# Altium PCB PCB1.PcbDoc (part 2 of 4)
Units mm, origin at the board's own origin, x right, y up, seen from the top; angles counter-clockwise.
Board outline 100 x 84 mm, 2 copper layers (Top Layer, Bottom Layer); 156 components, 105 nets, 544 pads, 320 vias.
Unrouted connection lines stored in the file: 2.
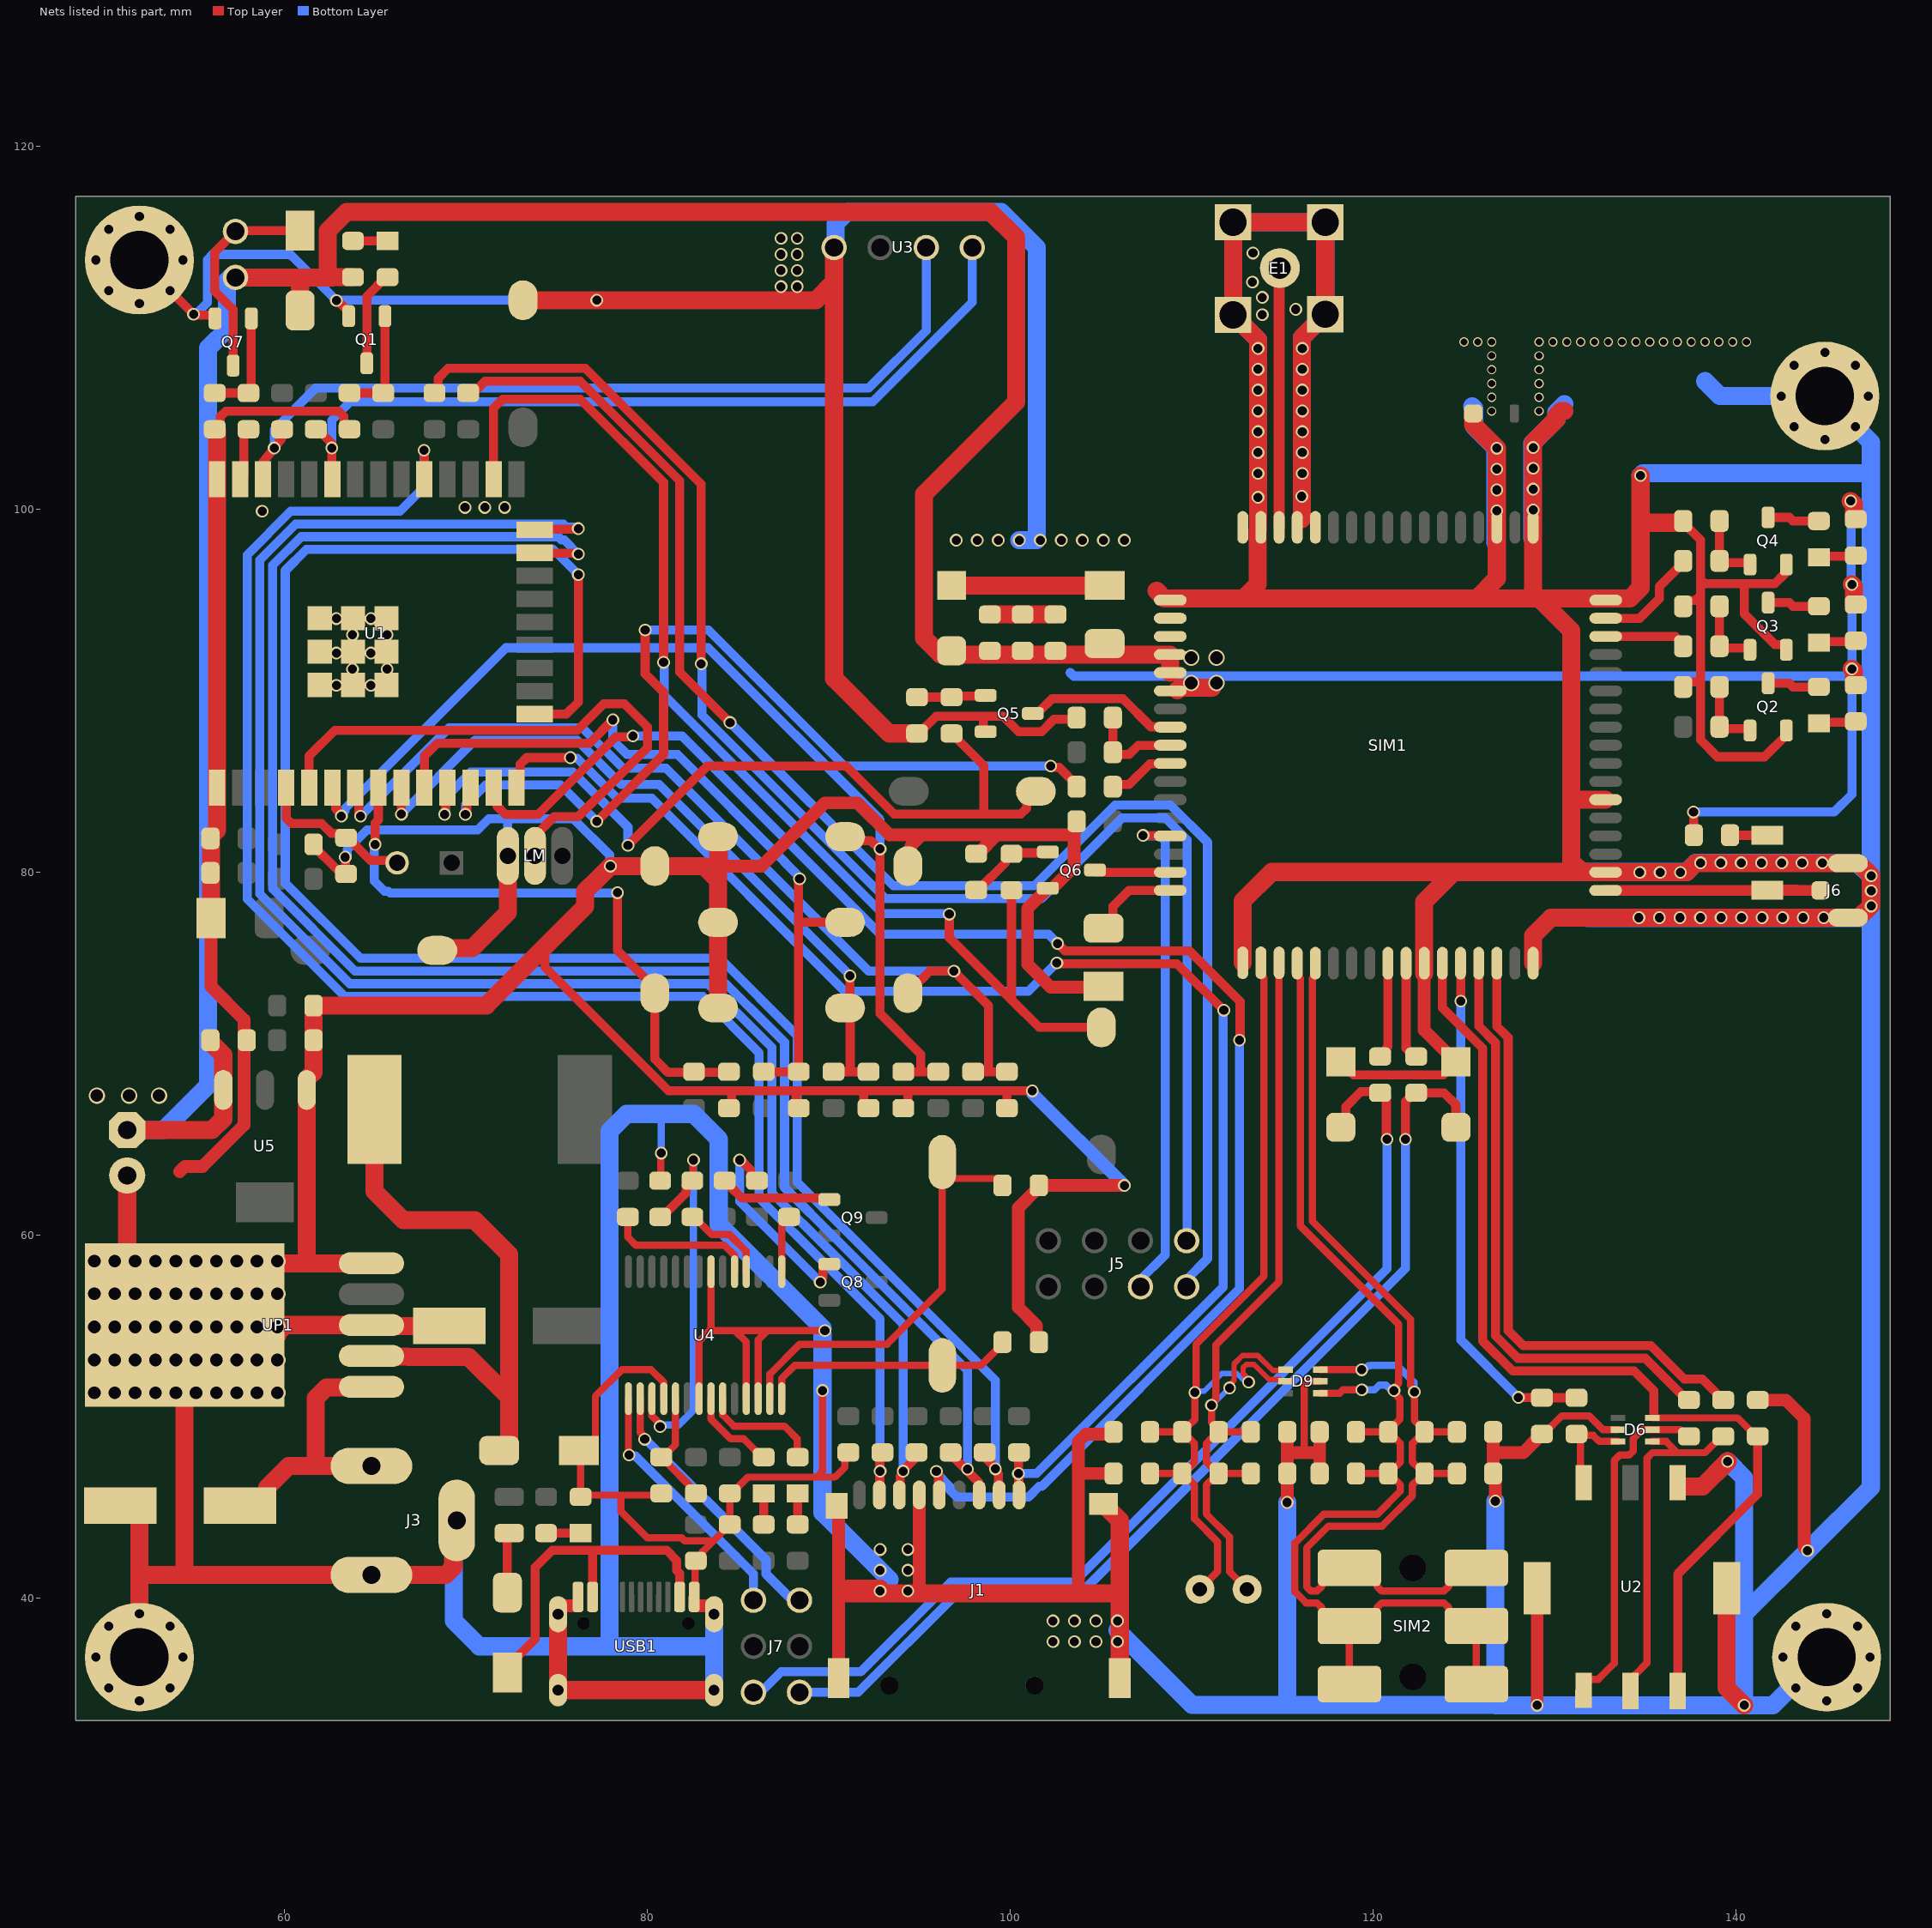
[diagram p2: the nets of this part, all layers, seen from the top]

## Via types
v1: diameter 0.7, hole 0.5, Top Layer to Bottom Layer, tented both sides, 196 vias
v2: diameter 0.9, hole 0.7, Top Layer to Bottom Layer, tented both sides, 63 vias
v3: diameter 0.8, hole 0.5, Top Layer to Bottom Layer, 32 vias
v4: diameter 0.508, hole 0.381, Top Layer to Bottom Layer, tented both sides, 29 vias

## Nets (pads, with @x,y where several pads share a name; then routed paths per layer and width w, separated by ;. In a path a pad name is that pad's centre, name@x,y a point inside that pad or via, vN(x,y) a via of type N, cw(c..) or ccw(c..) an arc to the next point about the centre after c; other vN are vias at no path point) (continued)
GND: C1.2 C2.1 C3.1 C4.2 C5.2 C6.1 C7.1 C8.1 C9.2 C10.2 C11.2 C12.2 C13.1 C14.1 C15.1 C16.1 C17.1 C18.2 C19.1 C20.2 C21.2 C22.2 C23.2 C24.2 C29.1 C30.1 C31.1 C32.1 C33.2 C34.1 C35.1 C36.1 C37.2 C38.1 C39.1 D5.1 D6.2 D9.2 D10.1 D11.1 D12.2 DP3.1 E1.2 J1.6 J1.SH1 J1.SH2 J1.SH3 J1.SH4 J3.2 J3.3 J4.2 J6.2 J6.3 J8.2 LM.3 M1.1 M2.1 M3.1 M4.1 pad.1@76.185,40.397 pad.1@82.585,40.397 pad.1@136.795,46.822 Q1.2 Q2.2 Q3.2 Q4.2 Q5.2 Q6.2 Q7.2 R6.1 R12.1 R13.1 R14.1 R15.1 R33.1 R34.1 R35.1 R37.1 R42.1 R46.1 R52.1 SIM1.1 SIM1.2 SIM1.3 SIM1.18 SIM1.28 SIM1.34 SIM1.36 SIM1.40 SIM1.51 SIM1.52 SIM1.54 SIM1.64 SIM1.65 SIM1.67 SIM1.68 SW1.1 SW2.1 SW3.1 SW4.1 SW5.1 SW8.2 SW9.2 U1.1 U1.38 U1.39_1 U1.39_2 U1.39_3 U1.39_4 U1.39_5 U1.39_6 U1.39_7 U1.39_8 U1.39_9 U2. U2.4 U3.1 U4.7 U4.18 U4.21 U4.25 U4.26 U5.1 UP1.3 UP1.5 UP1.6 USB1.A1B12 USB1.B1A12 USB1.SH1 USB1.SH2 USB1.SH3 USB1.SH4 | length 1210.8
  Top Layer w0.4: C22.2@80.708,63 80.74,63.032 80.74,64.484 v1(80.772,64.516) ; R46.1@80.772,45.763 80.679,45.67 78.549,45.67 ; U4.18@80.91,50.983 80.91,51.881 80.213,52.578 78.593,52.578 77.141,51.126 77.141,48.733 76.541,48.133 DP3.1@76.241,48.133 76.327,48.047 D12.2@76.327,45.577 76.42,45.67 78.549,45.67 ; USB1.B1A12@82.582,39.725 82.63,39.772 82.63,42.006 R42.1@82.677,42.053 82.75,42.053 83.046,42.349 83.046,42.551 84.179,43.684 84.179,43.757 84.475,44.053 C39.1@84.548,44.053 C38.1@84.548,45.763 84.648,45.763 85.548,46.663 89.335,46.663 ; U4.21@82.86,50.983 82.86,54.158 83.51,54.808 ; U4.7@83.51,57.983 83.51,54.808 ; 83.613,43.153 82.058,43.153 81.904,43.307 80.01,43.307 78.549,44.767 78.549,45.67 ; U4.25@85.46,50.983 85.46,54.113 84.836,54.737 ; U4.26@86.11,50.983 86.11,54.233 86.614,54.737 ; v1(89.662,51.435) 89.662,46.99 89.335,46.663 ; v1(89.789,54.737) 86.614,54.737 ; C9.2@91.084,48.022 90.896,47.834 90.896,47.208 90.351,46.663 89.335,46.663 ; 116.205,48.006 116.205,51.689 116.459,51.943 D9.2@117.089,51.943 ; C3.1@129.311,49.038 129.411,49.038 130.411,50.038 131.913,50.038 132.675,49.276 D6.2@133.502,49.276 ; 83.51,54.808 83.581,54.737 84.836,54.737 ; 84.836,54.737 86.614,54.737
  Top Layer w0.5: M3.1@52.006,113.741 52.006,113.735 54.991,110.75 v1(54.991,110.744) 55.029,110.706 56.075,110.706 56.175,110.606 Q7.2@56.175,110.52 ; R37.1@56.159,104.41 R37.1@56.221,104.41 ; R37.1@56.259,104.41 R37.1@56.221,104.41 ; C1.2@61.604,81.534 61.604,81.434 62.889,80.149 63.148,80.149 R35.1@63.375,79.922 ; v1(62.865,111.506) 62.903,111.468 62.971,111.468 63.541,110.897 Q1.2@63.541,110.647 ; v1(63.352,80.828) 63.375,80.805 R35.1@63.375,79.922 ; R35.1@63.398,79.899 R35.1@63.375,79.922 ; R12.1@63.589,104.41 63.532,104.41 63.282,104.66 63.282,105.117 62.989,105.41 56.769,105.41 56.471,105.112 56.471,104.66 R37.1@56.221,104.41 ; 74.358,75.882 74.358,74.766 81.174,67.95 83.561,67.95 83.566,67.945 83.644,67.945 83.649,67.95 84.714,67.95 ; C15.1@84.499,67 84.638,67.14 84.638,67.874 84.714,67.95 ; C17.1@88.345,67 88.207,67.138 88.207,67.876 88.133,67.95 ; C16.1@92.192,67 92.185,67 91.935,67.25 91.935,67.757 91.742,67.95 ; C13.1@94.115,67 94.122,67 94.372,67.25 94.372,67.757 94.565,67.95 ; R33.1@94.869,87.646 94.969,87.646 95.919,88.596 98.475,88.596 ; Q5.2@98.649,87.746 98.633,87.746 98.533,87.846 98.533,88.538 98.475,88.596 ; 98.772,67.95 94.565,67.95 ; 98.777,67.945 99.822,67.945 ; C14.1@99.822,67 99.822,67.945 ; v1(101.219,67.945) 99.822,67.945 ; R6.1@103.664,88.519 103.572,88.427 102.414,88.427 101.733,87.746 100.457,87.746 99.607,88.596 98.475,88.596 ; D10.1@118.225,69.542 118.933,68.834 123.867,68.834 D11.1@124.575,69.542 ; R13.1@137.1,90.211 137.1,90.227 137.35,90.477 137.848,90.477 138.05,90.679 ; R14.1@137.1,94.656 137.1,94.736 137.35,94.986 137.785,94.986 138.05,95.251 ; R15.1@137.1,99.355 137.1,99.255 138.05,98.305 138.05,95.251 ; 138.053,96.139 138.287,95.905 138.76,95.905 141.309,95.905 141.31,95.906 142.157,95.906 142.683,96.432 142.683,96.855 Q4.2@142.783,96.955 ; 140.462,95.885 140.462,94.234 142.157,92.539 142.683,92.539 142.783,92.439 Q3.2@142.783,92.256 ; Q2.2@142.783,87.811 142.783,87.561 141.582,86.36 138.977,86.36 138.05,87.287 138.05,90.679 ; 84.714,67.95 87.295,67.95 88.133,67.95 ; 88.133,67.95 91.742,67.95 ; 91.742,67.95 94.565,67.95 ; 138.05,90.679 138.05,95.251
  Top Layer w0.7: 54.229,63.5 54.514,63.785 55.491,63.785 57.771,66.065 57.771,71.88 55.956,73.695 C10.2@55.956,77.47 ; USB1.SH4@75.082,39.105 75.082,39.436 75.221,39.575 USB1.A1B12@76.132,39.575 ; USB1.B1A12@82.632,39.575 83.544,39.575 83.682,39.436 USB1.SH3@83.682,39.105 ; 83.947,80.335 86.304,80.335 89.789,83.82 91.585,83.82 93.345,82.06 95.141,82.06 ; J1.SH1@90.445,45.079 90.545,44.979 90.545,39.945 ; J1.SH2@90.545,35.579 90.545,39.945 ; 91.059,40.513 90.932,40.513 90.774,40.355 90.774,40.174 90.545,39.945 ; SW2.1@94.361,80.335 94.533,80.507 94.533,81.452 95.141,82.06 ; 94.869,40.259 94.995,40.385 J1.6@94.995,45.679 ; R34.1@98.129,81.018 98.229,81.018 99.271,82.06 ; C37.2@101.584,54.102 101.454,54.232 101.454,55.01 100.457,56.007 100.457,61.511 101.434,62.488 101.434,62.588 C33.2@101.584,62.738 v1(106.299,62.738) ; 103.759,40.259 103.759,46.863 ; C5.2@105.156,73.711 105.105,73.66 102.235,73.66 100.965,74.93 100.965,78.005 101.828,78.868 101.828,79.118 Q6.2@102.078,79.118 102.328,79.118 103.528,80.318 103.528,82.042 103.51,82.06 99.271,82.06 ; C31.1@105.555,48.899 105.555,49.022 104.169,49.022 103.759,48.612 103.759,46.863 ; C32.1@105.705,46.863 103.759,46.863 ; v1(115.275,45.266) C20.2@115.275,46.863 115.275,48.006 ; C21.2@115.275,49.149 115.275,48.006 ; C29.1@117.059,46.863 117.059,48.133 ; C30.1@117.059,49.149 117.059,48.133 ; SIM1.28@122.826,74.985 122.826,71.291 D11.1@124.575,69.542 ; C18.2@126.628,49.149 126.628,48.006 ; v1(126.746,45.339) 126.746,46.745 C19.1@126.628,46.863 126.628,48.006 ; v1(129.045,34.091) U2.@129.045,40.537 ; C3.1@129.311,49.038 129.211,49.038 129.061,48.888 129.061,48.788 128.279,48.006 126.628,48.006 ; C2.1@141.211,50.911 142.764,50.911 143.764,49.911 143.764,42.799 v1(143.954,42.608) ; 95.141,82.06 99.271,82.06 ; 115.275,48.006 116.205,48.006 116.932,48.006 117.059,48.133
  Top Layer w1: C23.2@50.954,45.085 51.506,45.085 52.006,44.585 52.006,41.148 ; J4.2@51.333,63.286 51.333,58.564 51.544,58.353 51.544,57.126 52.23,57.126 54.01,55.346 v2(54.01,54.936) 54.01,53.305 54.483,52.832 54.483,41.275 ; v3(52.006,39.141) 52.006,41.148 ; UP1.6@54.495,54.534 UP1.6@54.851,54.889 ; UP1.6@55.13,54.483 UP1.6@59.61,54.483 ; UP1.6@55.13,54.61 v2(55.13,54.936) 55.13,55.649 v2(56.25,56.769) ; C11.2@55.921,81.864 55.921,81.964 56.286,82.329 U1.1@56.286,84.658 U1.38@56.286,101.658 56.286,104.383 R37.1@56.259,104.41 ; C10.2@55.956,77.47 C11.2@55.956,81.864 ; UP1.6@56.554,56.465 UP1.6@57.114,57.025 ; v2(57.37,56.769) 57.37,57.325 58.49,58.445 61.347,58.445 ; UP1.6@59.61,54.61 60.042,55.042 64.745,55.042 64.795,54.991 C24.2@69.09,54.991 ; UP1.5@64.795,58.445 61.347,58.445 ; SW8.2@68.422,75.692 68.537,75.807 70.346,75.807 72.312,77.773 LM.3@72.312,80.899 ; J3.3@69.495,44.275 69.304,44.084 69.304,41.696 68.883,41.275 J3.2@64.795,41.275 54.483,41.275 ; SW9.2@73.152,111.521 v1(77.216,111.521) 89.296,111.521 90.297,112.522 ; USB1.SH4@75.082,39.105 USB1.SH2@75.082,34.925 USB1.SH1@83.682,34.925 ; SW4.1@83.901,72.517 SW5.1@83.901,77.237 83.901,79.548 ; 83.947,80.335 83.947,81.912 SW1.1@83.901,81.957 83.901,79.548 ; U3.1@90.297,114.427 90.297,112.522 ; 90.859,40.259 94.869,40.259 103.759,40.259 106.045,40.259 ; 91.059,40.513 92.829,40.513 92.837,40.505 v1(92.837,40.386) ; R33.1@94.869,87.646 93.329,87.646 90.297,90.678 90.297,112.522 ; D5.1@96.774,95.802 C4.2@105.207,95.802 ; C8.1@98.882,94.202 C6.1@100.69,94.202 C7.1@102.499,94.202 ; J1.SH4@105.145,45.179 105.345,45.179 105.445,45.079 105.445,44.879 106.045,44.279 106.045,40.259 ; J1.SH3@106.045,35.579 106.045,40.259 ; 108.077,95.504 108.49,95.091 112.871,95.091 ; SIM1.18@112.824,75.004 112.825,78.408 114.427,80.01 124.46,80.01 ; SIM1.65@116.078,99.466 v1(116.078,100.711) 116.078,104.275 116.078,108.864 116.078,109.453 E1.2@117.367,110.742 E1.2@117.367,115.817 E1.2@112.292,115.817 E1.2@112.292,110.717 113.665,109.345 v1(113.665,108.864) v1(113.665,107.717) v1(113.665,106.57) v1(113.665,105.423) v1(113.665,104.275) v1(113.665,103.128) v1(113.665,101.981) v1(113.665,100.66) 113.665,98.87 113.64,98.844 113.64,95.86 112.871,95.091 ; SIM1.28@122.827,74.422 122.827,78.377 124.46,80.01 ; J8.2@125.527,105.283 125.527,104.663 v1(126.827,103.362) v1(126.827,102.215) v1(126.827,101.068) v1(126.827,99.921) SIM1.54@126.827,99.005 126.827,96.188 125.73,95.091 ; SIM1.34@128.828,74.985 128.828,76.504 129.818,77.494 135.79,77.494 139.185,77.494 141.448,77.494 J6.3@146.177,77.494 146.777,77.494 147.447,78.164 147.447,79.798 147.447,79.824 146.777,80.494 J6.2@146.177,80.494 140.297,80.494 137.786,80.494 137.287,79.995 136.944,79.995 SIM1.36@132.824,79.995 131.81,79.995 131.795,80.01 131.523,80.01 ; 130.557,105.411 130.376,105.411 130.113,105.148 130.113,104.967 128.828,103.682 v1(128.829,103.403) SIM1.52@128.828,99.005 128.828,95.422 129.159,95.091 ; SIM1.40@132.824,83.995 130.985,83.995 130.937,83.947 ; v1(134.747,101.854) 134.747,99.255 ; U2.4@137.008,46.145 138.169,46.145 v1(139.548,47.523) ; R15.1@137.1,99.255 134.747,99.255 ; U2.@139.495,40.537 139.495,35.058 v1(140.462,34.091) ; 52.006,41.148 52.133,41.275 54.483,41.275 ; 61.347,58.445 61.23,58.562 U5.1@61.23,67.999 61.23,68.599 61.604,68.973 C35.1@61.604,70.739 C36.1@61.604,72.644 71.12,72.644 74.358,75.882 76.581,78.105 76.581,78.95 77.33,79.699 77.332,79.699 v1(77.968,80.335) SW3.1@80.416,80.335 83.114,80.335 83.901,79.548 ; 112.871,95.091 125.73,95.091 ; 124.46,80.01 131.523,80.01 ; 125.73,95.091 129.159,95.091 ; 129.159,95.091 134.161,95.091 134.747,95.677 134.747,99.255 ; 129.159,95.091 130.937,93.313 130.937,83.947 ; 130.937,83.947 130.937,80.596 131.523,80.01
  Bottom Layer w0.4: v1(80.772,64.516) 80.772,66.675 ; v1@89.662,54.529 89.789,54.656 v1(89.789,54.737)
  Bottom Layer w0.5: v1(54.991,110.744) 55.045,110.744 55.145,110.844 55.206,110.844 55.752,111.39 55.752,113.753 56.045,114.046 60.326,114.046 60.648,113.724 60.648,113.723 v1(62.865,111.506) 62.992,111.506 63.007,111.521 v1(77.216,111.521) ; v1(63.352,80.828) 63.352,80.882 63.452,80.982 63.452,81.243 64.543,82.334 70.65,82.334 71.265,82.949 72.408,82.949 ; LM.3@72.312,80.899 72.312,82.853 72.408,82.949 ; v1(77.968,80.335) 77.93,80.373 77.93,80.947 75.928,82.949 72.408,82.949
  Bottom Layer w0.7: v1(101.219,67.945) 101.219,67.818 v1(106.299,62.738)
  Bottom Layer w1: J3.3@69.495,44.275 69.342,44.122 69.342,38.735 70.739,37.338 75.082,37.338 ; USB1.SH2@75.082,34.925 75.082,37.338 ; USB1.SH4@75.082,39.105 75.082,37.338 ; USB1.SH1@83.682,34.925 83.682,37.338 ; USB1.SH3@83.682,39.105 83.682,37.338 ; v1@89.662,54.529 v1(89.662,51.435) 89.662,44.704 v1(92.837,41.529) 93.358,41.008 ; v1@89.662,54.864 83.94,60.586 83.94,65.285 82.55,66.675 80.772,66.675 78.867,66.675 77.923,65.731 77.923,37.664 77.597,37.338 ; U3.1@90.297,114.427 90.374,114.504 90.374,115.749 91.016,116.391 99.509,116.391 101.473,114.427 101.473,98.306 101.465,98.298 v1(100.505,98.298) ; 105.918,38.227 110.036,34.109 115.275,34.109 ; 113.665,100.051 v1(113.665,100.66) v1(113.665,101.981) v1(113.665,103.128) v1(113.665,104.275) v1(113.665,105.423) v1(113.665,106.57) v1(113.665,107.717) v1(113.665,108.864) 113.665,109.345 E1.2@112.292,110.717 E1.2@112.292,115.817 E1.2@117.367,115.817 E1.2@117.367,110.742 116.078,109.453 116.078,108.864 116.078,104.275 v1(116.078,100.711) 116.078,100.076 ; v1(115.275,45.266) 115.275,34.109 ; 125.476,105.664 125.589,105.551 125.589,104.535 126.746,103.378 126.746,98.171 ; v1(126.746,45.339) 126.746,34.109 ; 128.778,98.425 128.778,101.109 128.778,103.632 130.113,104.967 130.113,105.348 130.556,105.791 ; 131.699,80.01 137.287,80.01 137.795,80.518 v1(138.062,80.518) v1(139.179,80.518) v1(140.297,80.518) v1(141.414,80.518) v1(142.532,80.518) v1(143.65,80.518) v1(144.767,80.518) 146.685,80.518 v1@147.447,79.756 ; 131.826,77.47 135.79,77.47 139.185,77.47 141.448,77.47 146.861,77.47 v1@147.447,78.056 ; v1(134.747,101.854) 134.874,101.981 147.447,101.981 ; 138.303,107.061 139.123,106.241 v3(142.505,106.241) M4.1@144.905,106.241 147.447,103.699 147.447,101.981 ; v1(139.548,47.523) 140.462,46.609 140.462,39.116 ; M2.1@144.689,36.741 142.039,34.091 v1(140.462,34.091) ; 75.082,37.338 77.597,37.338 ; 77.597,37.338 83.682,37.338 ; 115.275,34.109 126.746,34.109 ; 126.746,34.109 126.746,34.091 v1(129.045,34.091) v1(140.462,34.091) ; v1(140.462,34.091) 140.462,39.116 ; 140.462,39.116 v1(143.954,42.608) 147.447,46.101 v1@147.447,78.056 ; v1@147.447,78.056 v1@147.447,79.756 ; v1@147.447,79.756 147.447,101.981
  other v1: 102.362,37.592 103.547,37.592 104.733,37.592 105.918,37.592 102.362,38.735 103.547,38.735 104.733,38.735 105.918,38.735 94.361,40.386 94.361,41.529 92.837,42.672 94.361,42.672 134.658,77.495 135.79,77.495 136.921,77.495 138.053,77.495 139.185,77.495 140.317,77.495 141.448,77.495 142.58,77.495 143.712,77.495 144.843,77.495 147.458,78.138 147.458,78.968 147.458,79.798 134.709,79.986 135.826,79.986 136.944,79.986 62.865,90.297 64.77,90.297 63.754,91.186 65.659,91.186 62.865,92.075 64.77,92.075 63.754,93.091 65.659,93.091 62.865,93.98 64.77,93.98 97.028,98.298 98.187,98.298 99.346,98.298 101.663,98.298 102.822,98.298 103.981,98.298 105.14,98.298 106.299,98.298 58.776,99.898 128.829,99.962 69.952,100.101 71.044,100.101 72.136,100.101 128.829,101.109 116.103,101.981 128.829,102.256 116.103,103.128 116.103,104.275 116.103,105.423 116.103,106.57 116.103,107.717 116.103,108.864 113.903,110.725 115.746,111.02 113.903,111.679 87.376,112.268 88.265,112.268 113.36,112.522 87.376,113.157 88.265,113.157 87.376,114.046 88.265,114.046 113.386,114.122 87.376,114.935 88.265,114.935
  other v2: 49.53,51.308 50.65,51.308 51.77,51.308 52.89,51.308 54.01,51.308 55.13,51.308 56.25,51.308 57.37,51.308 58.49,51.308 59.61,51.308 49.53,53.122 50.65,53.122 51.77,53.122 52.89,53.122 54.01,53.122 55.13,53.122 56.25,53.122 57.37,53.122 58.49,53.122 59.61,53.122 49.53,54.936 50.65,54.936 51.77,54.936 52.89,54.936 56.25,54.936 57.37,54.936 58.49,54.936 59.61,54.936 49.53,56.769 50.65,56.769 51.77,56.769 52.89,56.769 54.01,56.769 55.13,56.769 58.49,56.769 59.61,56.769 49.53,58.564 50.65,58.564 51.77,58.564 52.89,58.564 54.01,58.564 55.13,58.564 56.25,58.564 57.37,58.564 58.49,58.564 59.61,58.564
  other v3: 52.006,34.341 145.006,34.341 50.309,35.044 53.703,35.044 143.309,35.044 146.703,35.044 49.606,36.741 54.406,36.741 142.606,36.741 147.406,36.741 50.309,38.438 53.703,38.438 143.309,38.438 146.703,38.438 145.006,39.141 144.905,103.841 143.208,104.544 146.602,104.544 147.305,106.241 143.208,107.938 146.602,107.938 144.905,108.641 52.006,111.341 50.309,112.044 53.703,112.044 49.606,113.741 54.406,113.741 50.309,115.438 53.703,115.438 52.006,116.141
  other v4: 126.543,105.41 129.159,105.41 126.543,106.172 129.159,106.172 126.543,106.934 129.159,106.934 126.543,107.696 129.159,107.696 126.543,108.458 129.159,108.458 125.019,109.22 125.781,109.22 126.543,109.22 129.159,109.22 129.921,109.22 130.683,109.22 131.445,109.22 132.207,109.22 132.969,109.22 133.731,109.22 134.493,109.22 135.255,109.22 136.017,109.22 136.779,109.22 137.541,109.22 138.303,109.22 139.065,109.22 139.827,109.22 140.589,109.22
GPS_ANT: J6.1 L2.1 SIM1.35 | length 11.8
  Top Layer w0.6: SIM1.35@132.824,78.995 L2.1@141.719,78.995 ; L2.1@141.732,79.008 143.382,79.008 143.397,78.994 J6.1@144.677,78.994
GSM_ANT: E1.1 SIM1.66 | length 14.4
  Top Layer w0.6: SIM1.66@114.825,99.004 114.825,113.25 E1.1@114.91,113.335
Key_Down: C16.2 R28.1 SW4.2 U1.9 | length 40.7
  Top Layer w0.5: U1.9@66.446,84.658 66.448,84.657 66.448,83.195 v1(66.449,83.194) ; R28.1@90.269,69 C16.2@92.192,69 ; 91.173,69 91.186,69.013 91.186,72.232 SW4.2@90.901,72.517 91.173,72.789 v1(91.173,74.282)
  Bottom Layer w0.5: v1(66.449,83.194) 66.449,83.213 70.499,87.263 76.134,87.263 78.561,84.836 80.645,84.836 91.173,74.308 v1(91.173,74.282)
Key_Left: C15.2 R27.1 SW3.2 U1.8 | length 33.4
  Top Layer w0.5: v1(64.995,81.534) 64.995,82.702 65.176,82.884 U1.8@65.176,84.658 ; v1(78.359,78.867) 78.359,75.692 80.416,73.635 80.416,69.698 81.153,68.961 82.575,68.961 C15.2@84.556,68.961
  Bottom Layer w0.5: v1(64.995,81.534) 64.957,81.495 64.957,79.521 65.526,78.952 65.719,78.952 65.822,78.849 78.341,78.849 v1(78.359,78.867)
Key_Right: C14.2 R26.1 SW2.2 U1.7 | length 53.2
  Top Layer w0.5: U1.7@63.906,84.658 64.106,84.458 64.106,83.229 64.198,83.137 v1(64.198,83.083) ; SW2.2@94.361,73.335 94.361,73.337 95.105,74.081 95.107,74.081 95.575,74.549 v1(96.901,74.549) 98.806,72.644 98.806,69 ; R26.1@97.962,69 98.806,69 ; C14.2@99.805,69 98.806,69
  Bottom Layer w0.5: v1(64.198,83.083) 69.077,87.963 76.424,87.963 78.662,85.725 81.026,85.725 92.202,74.549 v1(96.901,74.549)
Key_Select: C17.2 R29.1 SW5.2 U1.10 | length 42.7
  Top Layer w0.5: U1.10@67.716,84.658 67.716,86.408 68.421,87.113 76.826,87.113 v1(78.105,88.392) ; R29.1@86.439,69 C17.2@88.345,69 88.345,77.237 ; v1(88.393,79.63) 88.345,79.582 88.345,77.237 ; SW5.2@90.901,77.237 88.345,77.237
  Bottom Layer w0.5: v1(78.105,88.392) 78.105,87.272 78.89,86.487 81.661,86.487 87.592,80.556 87.592,80.526 88.393,79.726 v1(88.393,79.63)
Key_up: C13.2 R25.1 SW1.2 U1.6 | length 58
  Top Layer w0.5: U1.6@62.636,84.658 62.836,84.458 62.836,83.502 63.139,83.199 v1(63.139,83.091) ; SW1.2@90.901,81.957 91.112,81.747 92.316,81.747 92.783,81.28 v1(92.837,81.28) ; v1@92.837,81.008 92.837,72.201 95.077,69.962 95.077,69 ; C13.2@94.115,69 95.077,69 ; R25.1@96.038,69 95.077,69
  Bottom Layer w0.5: v1(63.139,83.091) 63.139,83.199 63.338,83.398 63.338,83.502 72.202,92.367 83.352,92.367 92.837,82.882 v1(92.837,81.28)
MIC_N: C20.1 C21.1 C27.2 C28.2 D9.4 MIC1.2 SIM1.20 | length 48
  Top Layer w0.3: v1(112.094,51.574) 112.094,51.737 112.345,51.988 112.345,52.905 112.814,53.374 113.649,53.374 114.484,52.539 114.86,52.539 114.889,52.568 115.164,52.568 D9.4@115.189,52.593
  Top Layer w0.4: MIC1.2@113.06,40.481 112.087,41.454 112.087,43.364 110.817,44.634 110.817,46.229 111.082,46.494 111.194,46.494 111.49,46.79 C28.2@111.49,46.863 ; C20.1@113.275,46.863 C28.2@111.49,46.863 ; C21.1@113.275,49.149 C27.2@111.49,49.149 ; SIM1.20@114.825,75.004 114.825,57.432 111.344,53.951 111.344,50.951 111.098,50.706 111.098,49.668 111.49,49.276 C27.2@111.49,49.149 ; C28.2@111.49,46.863 111.49,46.936 111.194,47.232 111.082,47.232 110.817,47.497 110.817,48.515 111.082,48.78 111.194,48.78 111.49,49.076 C27.2@111.49,49.149
  Bottom Layer w0.3: v1(111.098,50.624) 111.121,50.624 112.071,51.574 v1(112.094,51.574)
MIC_P: C27.1 C28.1 C31.2 C32.2 D9.5 MIC1.1 SIM1.19 | length 49.2
  Top Layer w0.3: v1(113.145,51.898) 113.145,52.06 112.845,52.36 112.845,52.698 113.021,52.874 113.442,52.874 114.277,52.039 114.868,52.039 114.964,51.943 D9.5@115.189,51.943
  Top Layer w0.4: C32.2@107.705,46.863 C28.1@109.49,46.863 ; C31.2@107.705,49.149 C27.1@109.49,49.149 ; v1(110.187,51.323) 110.187,49.845 109.859,49.518 109.786,49.518 109.49,49.222 C27.1@109.49,49.149 ; v1@110.227,51.444 110.244,51.462 110.244,53.983 113.998,57.737 113.998,74.176 113.825,74.349 SIM1.19@113.825,75.004 ; MIC1.1@110.46,40.481 111.433,41.454 111.433,43.093 110.163,44.363 110.163,46.229 109.898,46.494 109.786,46.494 109.49,46.79 C28.1@109.49,46.863 ; C28.1@109.49,46.863 109.49,46.936 109.786,47.232 109.898,47.232 110.163,47.497 110.163,48.515 109.898,48.78 109.786,48.78 109.49,49.076 C27.1@109.49,49.149
  Bottom Layer w0.3: v1(110.187,51.323) 110.263,51.4 110.704,51.4 111.679,52.374 112.506,52.374 112.983,51.898 v1(113.145,51.898)
NET: R10.1 SIM1.50 | length 6
  Top Layer w0.5: SIM1.50@132.831,93.995 134.708,93.995 135.779,95.066 135.779,95.734 137.1,97.055 R10.1@137.1,97.155
NetC23_1: C23.1 J3.1 UP1.1 | length 15.5
  Top Layer w1: C23.1@57.554,45.085 58.554,45.085 59.054,45.585 59.054,46.1 60.229,47.275 60.929,47.275 61.722,47.275 ; J3.1@64.795,47.275 61.722,47.275 ; UP1.1@64.795,51.638 64.757,51.6 62.308,51.6 61.722,51.014 61.722,47.275
NetC33_1: C33.1 U4.27 X1.2 | length 23.5
  Top Layer w0.4: U4.27@86.76,50.983 86.76,52.343 88.404,53.987 93.219,53.987 96.266,57.034 X1.2@96.266,63.568 ; X1.2@96.266,64.02 X1.2@96.266,63.568 ; C33.1@99.584,62.738 99.584,62.811 99.276,63.119 96.715,63.119 X1.2@96.266,63.568
NetC37_1: C37.1 U4.28 X1.1 | length 14.2
  Top Layer w0.4: U4.28@87.41,50.983 87.41,52.104 88.126,52.82 X1.1@96.266,52.82 98.402,52.82 99.584,54.002 C37.1@99.584,54.102
NetD1_1: D1.1 R2.1 | length 1.9
  Top Layer w0.5: R2.1@63.779,114.792 D1.1@65.684,114.792
NetD1_2: D1.2 Q1.3 | length 5.3
  Top Layer w0.5: Q1.3@64.541,108.047 64.541,111.749 65.584,112.792 D1.2@65.684,112.792
NetD2_1: D2.1 R3.1 | length 2.1
  Top Layer w0.5: D2.1@144.577,88.211 144.627,88.261 146.559,88.261 R3.1@146.609,88.311
NetD2_2: D2.2 Q2.3 | length 2.9
  Top Layer w0.5: Q2.3@141.783,90.411 142.955,90.411 143.155,90.211 D2.2@144.577,90.211
NetD3_1: D3.1 R4.1 | length 2.1
  Top Layer w0.5: D3.1@144.577,92.656 144.627,92.706 146.559,92.706 R4.1@146.609,92.756
NetD3_2: D3.2 Q3.3 | length 2.9
  Top Layer w0.5: Q3.3@141.783,94.856 142.955,94.856 143.155,94.656 D3.2@144.577,94.656
NetD4_1: D4.1 R5.1 | length 2.1
  Top Layer w0.5: D4.1@144.577,97.355 144.627,97.405 146.559,97.405 R5.1@146.609,97.455
NetD4_2: D4.2 Q4.3 | length 2.9
  Top Layer w0.5: Q4.3@141.783,99.555 142.955,99.555 143.155,99.355 D4.2@144.577,99.355
NetD6_3: D6.3 pad.1@131.605,46.822 R18.1 U2.6 | length 5.5
  Top Layer w0.4: U2.6@131.604,46.145 131.445,46.304 131.445,48.65 131.445,48.809 R18.1@131.216,49.038 131.294,48.961 131.445,48.961 132.141,48.961 132.476,48.626 D6.3@133.502,48.626
NetD6_4: D6.4 pad.1@134.2,34.368 R21.2 U2.2 | length 19.3
  Top Layer w0.4: U2.2@134.2,35.12 134.45,35.37 134.45,35.771 135.103,36.424 135.103,47.711 135.402,48.011 136.774,48.011 ; D6.4@135.402,48.626 136.159,48.626 136.774,48.011 ; R21.2@139.306,48.911 139.206,48.911 138.306,48.011 136.774,48.011
NetD6_5: D6.5 pad.1@131.604,34.442 R22.2 U2.3 | length 18.9
  Top Layer w0.4: U2.3@131.604,35.12 131.604,35.269 131.854,35.519 132.42,35.519 133.3,36.399 133.3,47.575 133.604,47.879 134.118,47.879 134.352,48.113 134.352,48.787 134.841,49.276 136.922,49.276 137.287,48.911 R22.2@137.414,48.911
NetD7_1: D7.1 R43.2 | length 1.7
  Top Layer w0.5: R43.2@88.29,44.053 D7.1@88.29,45.763
NetD7_2: D7.2 U4.23 | length 6.6
  Top Layer w0.4: U4.23@84.16,50.983 84.16,50.084 84.77,49.474 87.559,49.474 88.265,48.768 88.265,47.788 D7.2@88.29,47.763
NetD8_1: D8.1 R44.2 | length 1.7
  Top Layer w0.5: R44.2@86.419,44.053 D8.1@86.419,45.763
NetD8_2: D8.2 U4.22 | length 4.9
  Top Layer w0.4: U4.22@83.51,50.983 83.51,49.855 84.597,48.768 85.314,48.768 86.319,47.763 D8.2@86.419,47.763
NetD12_1: D12.1 R56.2 | length 2
  Top Layer w0.5: R56.2@74.355,43.577 D12.1@76.327,43.577
NetDP1_1: DP1.1 J2.2 Q7.3 | length 11.9
  Top Layer w0.5: Q7.3@57.175,107.92 57.175,111.004 56.152,112.027 56.152,114.166 57.343,115.357 DP1.1@60.858,115.357
NetDP2_1: DP2.1 pad.1@76.985,40.397 pad.1@81.785,40.397 USB1.A4B9 USB1.B4A9 | length 20.1
  Top Layer w0.5: DP2.1@72.288,35.9 72.288,36.2 73.824,37.735 73.824,41.693 74.758,42.627 76.982,42.627 81.071,42.627 81.627,42.071 81.627,41.513 81.782,41.358 USB1.B4A9@81.782,39.725 ; USB1.A4B9@76.982,39.725 76.982,42.545
NetDP2_2: DP2.2 F1.2 | length 3.4
  Top Layer w0.5: DP2.2@72.288,40.3 F1.2@72.288,43.688
NetDP3_2: DP3.2 L1.1 UP1.2 | length 33.1
  Top Layer w1: UP1.2@64.795,53.34 64.834,53.302 66.789,53.302 66.8,53.291 70.153,53.291 72.39,51.054 ; L1.1@64.964,66.929 64.964,62.417 66.548,60.833 70.485,60.833 72.39,58.928 72.39,51.054 ; DP3.2@71.841,48.133 72.09,48.133 72.39,48.433 72.39,51.054
NetJ5_1: J5.1 R48.1 | length 86.4
  Top Layer w0.5: R48.1@68.272,106.41 68.481,106.619 68.481,107.216 69.026,107.761 76.591,107.761 82.975,101.377 v1(82.975,91.484)
  Bottom Layer w0.5: v1(82.975,91.484) 83.009,91.45 83.009,88.669 93.13,78.548 101.727,78.548 106.172,82.993 108.549,82.993 109.755,81.787 109.755,59.717 J5.1@109.728,59.69
NetJ5_2: J5.2 R49.2 | length 86.4
  Top Layer w0.5: R49.2@70.129,106.41 70.379,106.66 70.661,106.66 71.062,107.061 76.301,107.061 81.788,101.574 81.788,91.021 v1(84.563,88.246)
  Bottom Layer w0.5: v1(84.563,88.246) 93.561,79.248 101.346,79.248 105.791,83.693 108.839,83.693 110.878,81.654 110.878,58.7 109.728,57.55 J5.2@109.728,57.15
NetL2_2: L2.2 R47.2 | length 2.1
  Top Layer w0.5: R47.2@139.684,82.042 139.691,82.035 141.725,82.035 L2.2@141.732,82.028
NetQ1_1: Q1.1 R7.2 R12.2 | length 6.1
  Top Layer w0.5: R12.2@63.589,106.41 R7.2@65.446,106.41 65.541,106.505 Q1.1@65.541,110.647
NetQ2_1: Q2.1 R8.2 R13.2 | length 4
  Top Layer w0.5: R13.2@139.1,90.211 R8.2@139.1,88.011 139.2,87.911 140.683,87.911 Q2.1@140.783,87.811
NetQ3_1: Q3.1 R9.2 R14.2 | length 4
  Top Layer w0.5: R14.2@139.1,94.656 R9.2@139.1,92.456 139.2,92.356 140.683,92.356 Q3.1@140.783,92.256
NetQ4_1: Q4.1 R10.2 R15.2 | length 4
  Top Layer w0.5: R15.2@139.1,99.355 R10.2@139.1,97.155 139.2,97.055 140.683,97.055 Q4.1@140.783,96.955
NetQ5_1: Q5.1 R30.2 R33.2 | length 3.8
  Top Layer w0.5: R33.2@94.869,89.646 R30.2@96.774,89.646 96.824,89.696 98.599,89.696 Q5.1@98.649,89.746
NetQ6_1: Q6.1 R31.2 R34.2 | length 5
  Top Layer w0.5: R34.2@98.129,79.018 98.229,79.018 99.726,80.515 99.726,80.76 99.976,81.01 R31.2@100.076,81.01 100.13,81.064 102.024,81.064 Q6.1@102.078,81.118
NetQ7_1: Q7.1 R32.2 R37.2 | length 6
  Top Layer w0.5: R37.2@56.159,106.41 R32.2@58.017,106.41 58.175,106.569 Q7.1@58.175,110.52
NetQ8_1: Q8.1 R54.2 | length 11.6
  Top Layer w0.5: v1(85.09,64.135) 85.169,64.135 85.692,63.612 85.692,63.25 85.942,63 R54.2@86.042,63 ; v1(89.535,57.404) 89.535,57.512 89.688,57.666 89.688,58.304 89.788,58.404 Q8.1@90.038,58.404
  Bottom Layer w0.5: v1(85.09,64.135) 85.09,61.849 v1(89.535,57.404)
NetQ9_1: Q9.1 R58.2 | length 6.3
  Top Layer w0.5: R58.2@84.264,63 84.364,63 84.614,62.75 84.614,62.645 85.209,62.05 89.948,62.05 Q9.1@90.038,61.96
NetR16_1: R16.1 SIM1.10 | length 3.7
  Top Layer w0.5: R16.1@105.664,84.709 105.79,84.835 106.552,84.835 107.693,85.976 108.134,85.976 108.805,85.976 SIM1.10@108.824,85.995
NetR39_2: R39.2 U4.4 | length 4.9
  Top Layer w0.4: R39.2@82.486,61 82.586,61 83.55,60.036 84.53,60.036 85.46,59.106 U4.4@85.46,57.983
NetR40_2: R40.2 U4.1 | length 3.2
  Top Layer w0.4: U4.1@87.41,57.983 87.41,60.663 87.747,61 R40.2@87.82,61
NetR41_2: R41.2 U4.5 | length 8.3
  Top Layer w0.4: R41.2@78.93,61 78.93,59.881 79.375,59.436 84.256,59.436 84.81,58.882 U4.5@84.81,57.983
NetR45_1: R45.1 R46.2 U4.19 | length 6.4
  Top Layer w0.4: R46.2@80.772,47.763 80.845,47.763 81.141,47.467 81.141,47.394 82.308,46.227 82.308,46.059 82.604,45.763 R45.1@82.677,45.763 ; R46.2@80.872,47.763 81.56,48.451 U4.19@81.56,50.983
PHOT: PHOTO.2 R35.2 U1.4 | length 8.6
  Top Layer w0.5: U1.4@60.096,84.658 60.096,82.97 60.389,82.677 62.051,82.677 62.579,82.149 63.248,82.149 64.741,80.656 65.848,80.656 PHOTO.2@65.986,80.518
PROG_D+: J7.6 U4.15 | length 14.1
  Top Layer w0.4: U4.15@78.96,50.983 78.96,47.913 v1(78.994,47.879)
  Bottom Layer w0.5: v1(78.994,47.879) 79.032,47.841 79.339,47.841 85.852,41.328 J7.6@85.852,39.878
PROG_D-: J7.5 U4.16 | length 15
  Top Layer w0.4: U4.16@79.61,50.983 79.61,49.133 79.859,48.884 v1(79.859,48.748)
  Bottom Layer w0.5: v1(79.859,48.748) 79.903,48.748 86.552,42.099 86.552,41.318 87.992,39.878 J7.5@88.392,39.878
PWM: R32.1 U1.37 | length 2.9
  Top Layer w0.5: U1.37@57.556,101.658 57.756,101.858 57.756,104.16 58.006,104.41 R32.1@58.017,104.41
PWRKEY: Q5.3 SIM1.8 | length 8.6
  Top Layer w0.5: Q5.3@101.249,88.746 101.349,88.846 101.599,88.846 102.322,89.569 106.204,89.569 107.759,88.014 108.805,88.014 SIM1.8@108.824,87.995
RESET: Q6.3 SIM1.16 | length 4.2
  Top Layer w0.5: Q6.3@104.678,80.118 104.778,80.018 105.272,80.018 105.295,79.995 SIM1.16@108.824,79.995
RI: R16.2 U1.12 | length 50.5
  Top Layer w0.5: v1(69.977,83.185) 69.977,83.239 70.056,83.319 70.056,84.458 U1.12@70.256,84.658 ; v1(77.216,82.804) 80.899,86.487 80.899,89.916 79.883,90.932 v1(79.883,93.345) ; v1(102.235,85.852) 102.312,85.775 102.698,85.775 103.664,84.809 R16.2@103.664,84.709
  Bottom Layer w0.5: v1(69.977,83.185) 70.001,83.209 70.001,83.717 70.722,84.438 71.097,84.813 75.207,84.813 v1(77.216,82.804) ; v1(79.883,93.345) 83.364,93.345 90.857,85.852 v1(102.235,85.852)
SCL: R36.2 U1.36 U3.3 | length 46.9
  Top Layer w0.5: U1.36@58.826,101.658 58.826,102.61 v1(59.436,103.378) 59.874,103.93 R36.2@59.874,104.41
  Bottom Layer w0.5: v1(59.436,103.378) 59.436,104.394 61.722,106.68 92.202,106.68 95.377,109.855 U3.3@95.377,114.427
SD_CLK: J1.5 U1.13 | length 89.5
  Top Layer w0.5: U1.13@71.526,84.658 71.726,84.458 71.726,83.642 72.183,83.185 73.991,83.185 78.271,87.465 79.172,87.465 v1(79.21,87.503) ; v1(95.939,46.984) 95.939,46.876 96.057,46.757 96.057,45.717 J1.5@96.095,45.679 ; v1(102.616,76.073) 103.028,75.661 109.887,75.661 112.678,72.87 112.678,70.775 v1(112.642,70.739)
  Bottom Layer w0.5: v1(79.21,87.503) 81.918,87.503 92.84,76.581 102.108,76.581 v1(102.616,76.073) ; v1(95.939,46.984) 95.939,46.876 96.675,46.139 96.675,45.947 97.054,45.568 101.018,45.568 101.608,46.157 101.751,46.157 112.642,57.048 v1(112.642,70.739)
SD_CMD: J1.3 R20.1 U1.23 | length 100.5
  Top Layer w0.5: U1.23@73.796,97.603 73.83,97.57 76.166,97.57 v1(76.2,97.536) ; R20.1@96.723,47.768 96.877,47.768 97.542,47.103 v1(97.651,47.103) ; v1@97.663,47.117 97.663,46.983 98.257,46.389 98.257,45.717 J1.3@98.295,45.679
  Bottom Layer w0.5: v1(76.2,97.536) 76.191,97.536 75.418,98.31 75.273,98.31 75.093,98.49 61.559,98.49 60.924,98.49 59.346,96.912 59.346,96.277 59.346,79.102 63.897,74.552 83.638,74.552 87.567,70.623 87.567,62.623 90.486,59.704 90.488,59.704 97.651,52.541 v1(97.651,47.103)
SD_DATA0: J1.7 R23.1 U1.24 | length 99.9
  Top Layer w0.5: U1.24@73.796,98.873 73.826,98.903 76.167,98.903 v1(76.197,98.933) ; J1.7@93.895,45.679 93.933,45.717 93.933,46.708 94.107,46.882 94.107,47.031 R23.1@94.844,47.768
  Bottom Layer w0.5: v1(76.197,98.933) 76.121,99.01 75.563,99.01 75.383,99.19 61.269,99.19 60.634,99.19 58.646,97.202 58.646,96.567 58.646,78.812 63.607,73.852 83.348,73.852 86.867,70.333 86.867,62.334 90.196,59.004 90.198,59.004 94.107,55.095 v1(94.107,46.99)
SD_DATA1: J1.8 R24.1 U1.29 | length 93.4
  Top Layer w0.5: v1(67.691,103.251) 67.716,103.226 U1.29@67.716,101.658 ; J1.8@92.795,45.679 92.816,45.7 92.816,46.969 v1(92.837,46.99) R24.1@92.837,47.633
  Bottom Layer w0.5: v1(67.691,103.251) 67.691,101.219 66.362,99.89 60.979,99.89 60.344,99.89 57.946,97.492 57.946,96.857 57.946,78.522 63.317,73.152 83.058,73.152 86.167,70.043 86.167,62.044 89.906,58.304 89.908,58.304 92.837,55.375 v1(92.837,46.99)
SD_DATA2: J1.1 R17.1 U1.14 | length 80.3
  Top Layer w0.5: U1.14@72.796,84.658 72.996,84.858 72.996,85.95 73.359,86.313 v1(75.762,86.313) ; R17.1@100.482,47.768 100.457,47.743 v1(100.457,46.857) 100.476,46.838 100.476,45.698 J1.1@100.495,45.679 ; v1(102.577,75) 102.615,74.962 v1@102.737,74.962 ; v1@102.738,74.961 109.189,74.961 111.76,72.39 v1(111.778,72.39)
  Bottom Layer w0.5: v1(75.762,86.313) 75.801,86.275 76.132,86.275 78.333,84.074 80.25,84.074 90.88,73.444 101.003,73.444 102.559,75 v1(102.577,75) ; v1(100.457,46.857) 101.461,46.857 111.742,57.138 111.742,72.354 v1(111.778,72.39)
SD_DATA3: J1.2 R19.1 U1.16 | length 106.6
  Top Layer w0.5: U1.16@73.796,88.713 75.531,88.713 76.2,89.382 76.2,96.393 v1(76.199,96.394) ; R19.1@98.603,47.768 99.187,47.184 99.187,47.009 99.357,46.839 J1.2@99.357,45.717
  Bottom Layer w0.5: v1(76.199,96.394) 74.803,97.79 61.214,97.79 60.046,96.622 60.046,79.392 64.187,75.252 84.006,75.252 88.267,70.991 88.267,62.913 90.776,60.404 90.778,60.404 99.187,51.995 v1(99.187,47.117)
SDA: R38.1 U1.33 U3.4 | length 46
  Top Layer w0.5: R38.1@61.732,104.41 61.832,104.41 62.611,103.631 U1.33@62.611,101.683 ; U1.33@62.636,101.658 U1.33@62.836,101.458
  Bottom Layer w0.5: v1(62.611,103.378) 62.611,104.902 63.627,105.918 92.43,105.918 97.917,111.405 U3.4@97.917,114.427
Sim_CLK: R22.1 SIM1.31 | length 33
  Top Layer w0.5: SIM1.31@125.827,74.985 125.827,71.517 126.753,70.59 126.753,54.45 127.99,53.213 135.012,53.213 137.314,50.911 R22.1@137.414,50.911
Sim_data: C3.2 R18.2 SIM1.30 | length 28.5
  Top Layer w0.5: SIM1.30@124.827,74.985 124.834,74.977 124.834,72.905 v1(124.841,72.898) ; v1(128.016,51.054) 128.024,51.046 129.303,51.046 C3.2@129.311,51.038 R18.2@131.216,51.038
  Bottom Layer w0.5: v1(124.841,72.898) 124.841,54.229 v1(128.016,51.054)
SIM_DTR: R1.2 R6.2 SIM1.9 | length 5.3
  Top Layer w0.5: R6.2@105.664,88.519 105.664,86.714 105.891,86.487 106.553,86.487 107.061,86.995 SIM1.9@108.824,86.995
SIM_PWR: R30.1 SW6.2 U1.11 | length 46.7
  Top Layer w0.5: v1(68.834,83.185) 68.872,83.223 68.872,84.544 U1.11@68.986,84.658 ; v1(78.936,81.476) 83.312,85.852 90.952,85.852 93.599,83.205 95.235,83.205 98.552,83.205 ; R30.1@96.774,87.646 96.778,87.646 98.552,85.872 98.552,83.205 ; SW6.2@101.415,84.455 100.907,83.947 100.907,83.522 100.589,83.205 98.552,83.205
  Bottom Layer w0.5: v1(68.834,83.185) 68.872,83.223 68.872,84.112 70.273,85.513 75.904,85.513 78.936,82.481 v1(78.936,81.476)
SIM_RESET: R31.1 SW7.2 U1.26 | length 65.6
  Top Layer w0.5: U1.26@71.526,101.658 71.526,105.562 72.035,106.071 76.301,106.071 80.899,101.473 v1(80.899,91.567) ; v1(96.647,77.686) 96.647,76.403 100.076,72.974 ; R31.1@100.076,79.01 100.076,72.974 ; SW7.2@105.029,71.445 101.605,71.445 100.076,72.974
  Bottom Layer w0.5: v1(80.899,91.567) 80.937,91.529 80.937,89.751 92.964,77.724 96.609,77.724 v1(96.647,77.686)
Sim_RST: R21.1 SIM1.32 | length 34
  Top Layer w0.5: SIM1.32@126.827,74.985 126.827,71.506 127.17,71.163 127.453,70.88 127.453,54.74 128.28,53.913 135.317,53.913 137.16,52.07 138.147,52.07 138.956,51.261 138.956,51.161 139.206,50.911 R21.1@139.306,50.911
SIM_TX: J5.4 SIM1.14 | length 28
  Top Layer w0.5: v1(107.326,82.031) 107.344,82.013 108.806,82.013 SIM1.14@108.824,81.995
  Bottom Layer w0.5: J5.4@107.188,57.15 107.188,57.55 108.548,58.91 108.548,81.712 108.255,82.005 107.352,82.005 v1(107.326,82.031)
Sim_Vcc: C2.2 D6.6 pad.1@136.795,34.368 SIM1.29 U2.1 | length 56.3
  Top Layer w0.4: D6.6@135.402,49.926 140.096,49.926 141.111,48.911 C2.2@141.211,48.911
  Top Layer w0.5: SIM1.29@123.827,74.985 123.827,72.527 126.053,70.3 126.053,54.16 127.7,52.513 134.399,52.513 135.477,51.435 D6.6@135.477,50.001 ; pad.1@136.795,34.368 136.795,41.316 141.211,45.733 C2.2@141.211,48.911
SPK_N: C18.1 C19.2 C25.2 C26.2 D9.3 SIM1.22 SIM2.4 | length 63.3
  Top Layer w0.4: SIM1.22@116.825,74.985 116.825,74.33 116.652,74.157 116.652,60.774 122.066,55.36 122.066,51.706 122.281,51.491 122.281,49.785 122.844,49.222 C25.2@122.844,49.149 ; D9.3@117.089,52.593 117.097,52.585 119.373,52.585 v1(119.38,52.578) ; C19.2@124.628,46.863 C26.2@122.844,46.863 ; C18.1@124.628,49.149 C25.2@122.844,49.149 ; SIM2.4@125.699,41.656 124.976,41.656 124.18,40.86 124.18,40.648 123.915,40.383 120.484,40.383 120.219,40.648 120.219,40.86 119.422,41.656 SIM2.4@118.699,41.656 117.976,41.656 117.18,40.86 117.18,40.648 116.915,40.383 116.584,40.383 116.349,40.617 116.349,42.758 117.552,43.961 120.505,43.961 122.171,45.626 122.171,46.229 122.436,46.494 122.548,46.494 122.844,46.79 C26.2@122.844,46.863 ; C26.2@122.844,46.863 122.844,46.936 122.548,47.232 122.436,47.232 122.171,47.497 122.171,48.515 122.436,48.78 122.548,48.78 122.844,49.076 C25.2@122.844,49.149
  Bottom Layer w0.4: v1@119.4,52.578 119.515,52.578 119.729,52.792 119.851,52.792 119.887,52.828 121.321,52.828 122.258,51.891 122.258,51.379 v1(122.281,51.356)
SPK_P: C25.1 C26.1 C29.2 C30.2 D9.1 SIM1.21 SIM2.2 SIM2.3 | length 69.2
  Top Layer w0.4: SIM1.21@115.825,74.985 115.825,74.33 115.998,74.157 115.998,60.503 121.412,55.089 121.412,51.824 121.158,51.57 121.158,51.3 121.481,50.977 121.481,49.859 120.844,49.222 C25.1@120.844,49.149 ; D9.1@117.089,51.293 118.165,51.293 118.336,51.464 119.373,51.464 v1(119.386,51.478) ; SIM2.2@118.699,35.256 SIM2.3@118.699,38.456 ; C29.2@119.059,46.863 C26.1@120.844,46.863 ; C30.2@119.059,49.149 C25.1@120.844,49.149 ; SIM2.2@125.699,35.256 SIM2.3@125.699,38.456 124.976,38.456 124.18,39.252 124.18,39.464 123.915,39.729 120.484,39.729 120.219,39.464 120.219,39.252 119.422,38.456 SIM2.3@118.699,38.456 ; SIM2.3@118.699,38.456 117.976,38.456 117.18,39.252 117.18,39.464 116.915,39.729 116.313,39.729 115.695,40.346 115.695,43.029 117.281,44.615 120.234,44.615 121.517,45.897 121.517,46.229 121.252,46.494 121.14,46.494 120.844,46.79 C26.1@120.844,46.863 ; C26.1@120.844,46.863 120.844,46.936 121.14,47.232 121.252,47.232 121.517,47.497 121.517,48.515 121.252,48.78 121.14,48.78 120.844,49.076 C25.1@120.844,49.149
  Bottom Layer w0.4: v1(119.386,51.478) 120.092,51.478 120.342,51.728 120.73,51.728 121.023,51.435 v1(121.158,51.435)
STATUS: R9.1 SIM1.49 | length 4.6
  Top Layer w0.5: SIM1.49@132.831,92.995 136.661,92.995 137.1,92.556 R9.1@137.1,92.456
TEMP: LM.2 U1.5 | length 32.6
  Top Layer w0.5: U1.5@61.366,84.658 61.366,86.408 62.771,87.813 76.129,87.813 77.597,89.281 78.74,89.281 80.01,88.011 80.01,86.876 76.192,83.058 74.871,83.058 73.812,81.999 LM.2@73.812,80.899
USB_3V3: C22.1 R39.1 U4.17 | length 22
  Top Layer w0.4: U4.17@80.26,51.33 80.26,50.031 80.71,49.581 v1(80.71,49.446) ; R39.1@82.386,63 82.518,63.132 82.518,64.103 v1(82.55,64.135)
  Top Layer w0.5: C22.1@80.708,61 80.808,61 82.136,62.328 82.136,62.75 R39.1@82.386,63
  Bottom Layer w0.4: v1(80.71,49.446) 80.806,49.541 81.74,49.541 82.55,50.351 v1(82.55,64.135)
USB_D+: D10.2 J7.2 R55.1 | length 58
  Top Layer w0.5: D10.2@118.225,65.942 118.514,66.231 118.514,67.079 119.339,67.904 120.334,67.904 R55.1@120.396,67.842 120.489,67.842 120.739,67.592 120.739,65.316 v1(120.777,65.278)
  Bottom Layer w0.5: J7.2@85.852,34.798 86.252,34.798 87.395,35.941 87.509,35.941 87.516,35.948 89.268,35.948 89.275,35.941 91.774,35.941 96.722,40.89 103.527,40.89 120.777,58.14 v1(120.777,65.278)
USB_D-: D11.2 J7.1 R51.1 | length 56.9
  Top Layer w0.5: v1(121.793,65.278) 121.793,67.349 R51.1@122.286,67.842 ; R51.1@122.386,67.842 R51.1@122.286,67.842 ; D11.2@124.575,65.942 124.571,65.947 124.571,67.199 123.928,67.842 R51.1@122.286,67.842
  Bottom Layer w0.5: J7.1@88.392,34.798 91.62,34.798 96.937,40.115 103.742,40.115 121.793,58.166 v1(121.793,65.278)
USB_DN: R51.2 SIM1.27 | length 5.4
  Top Layer w0.5: SIM1.27@121.826,74.985 121.826,70.301 122.286,69.842 R51.2@122.386,69.842
USB_DP: R55.2 SIM1.26 | length 5.4
  Top Layer w0.5: R55.2@120.396,69.842 120.496,69.842 120.746,70.092 120.746,70.305 120.826,70.385 SIM1.26@120.826,74.985
VBAT: C4.1 C6.2 C7.2 C8.2 C34.2 D5.2 DP1.2 J2.1 J4.1 R2.2 R3.2 R4.2 R5.2 R47.1 SIM1.4 SIM1.5 SIM1.6 U5.3 | length 226
  Top Layer w0.5: R47.1@137.684,82.042 v1@137.684,83.312
  Top Layer w1: J4.1@51.333,65.786 56.007,65.786 56.63,66.409 U5.3@56.63,67.999 56.63,69.93 55.921,70.639 C34.2@55.921,70.739 ; J2.1@57.302,112.776 60.858,112.776 ; DP1.2@61.084,111.182 DP1.2@60.858,110.957 60.858,112.776 ; 62.661,112.776 60.858,112.776 ; R2.2@63.779,112.792 62.393,112.792 62.393,115.35 63.435,116.391 98.923,116.391 100.33,114.984 100.33,105.909 95.25,100.829 95.25,92.915 96.17,91.995 100.69,91.995 105.207,91.995 SIM1.4@108.824,91.995 SIM1.5@108.824,90.995 ; SIM1.6@109.224,90.035 109.359,90.17 v2@111.125,90.17 ; v1(146.329,100.457) 146.509,100.278 146.509,99.455 R5.2@146.609,99.455 ; v1(146.397,91.203) 146.509,91.091 146.509,90.311 R3.2@146.609,90.311 ; v1(146.397,95.86) 146.509,95.748 146.509,94.756 R4.2@146.609,94.756
  Bottom Layer w0.5: 103.314,90.995 103.505,90.805 145.999,90.805 v1(146.397,91.203) ; v1(137.668,83.312) 145.415,83.312 146.397,84.294 v1(146.397,91.203) ; v1(146.329,100.457) 146.363,100.423 146.363,95.893 v1(146.397,95.86) ; v1@146.489,95.86 146.397,95.767 146.397,91.295 146.424,91.268 146.462,91.268 v1(146.397,91.203)
  Bottom Layer w1: J4.1@51.333,65.786 53.34,65.786 55.796,68.242 55.796,83.868 55.796,102.448 55.796,108.882 56.826,109.912 56.826,112.591 57.011,112.776 J2.1@57.302,112.776
  other v2: 49.657,67.691 51.435,67.691 53.086,67.691 109.982,90.424 111.379,90.424 109.982,91.821 111.379,91.821
VRTC: C5.1 SIM1.17 | length 4.9
  Top Layer w0.5: C5.1@105.156,76.911 105.676,77.431 105.676,78.117 106.554,78.995 SIM1.17@108.824,78.995
pads on no net: D6.1 D9.6 J1. J1.9 SIM1.7 SIM1.11 SIM1.12 SIM1.13 SIM1.23 SIM1.24 SIM1.25 SIM1.33 SIM1.38 SIM1.39 SIM1.41 SIM1.42 SIM1.43 SIM1.44 SIM1.45 SIM1.46 SIM1.47 SIM1.48 SIM1.55 SIM1.56 SIM1.57 SIM1.58 SIM1.59 SIM1.60 SIM1.61 SIM1.62 SIM1.63 SIM2.MOUNT U1.17 U1.18 U1.19 U1.20 U1.21 U1.22 U1.32 U2.5 U4.6 U4.8 U4.9 U4.10 U4.11 U4.12 U4.13 U4.14 U4.24 USB1. USB1.A8 USB1.B8
copper on no net: | length 1955.7